# KiCad board pcb.kicad_pcb (continued)
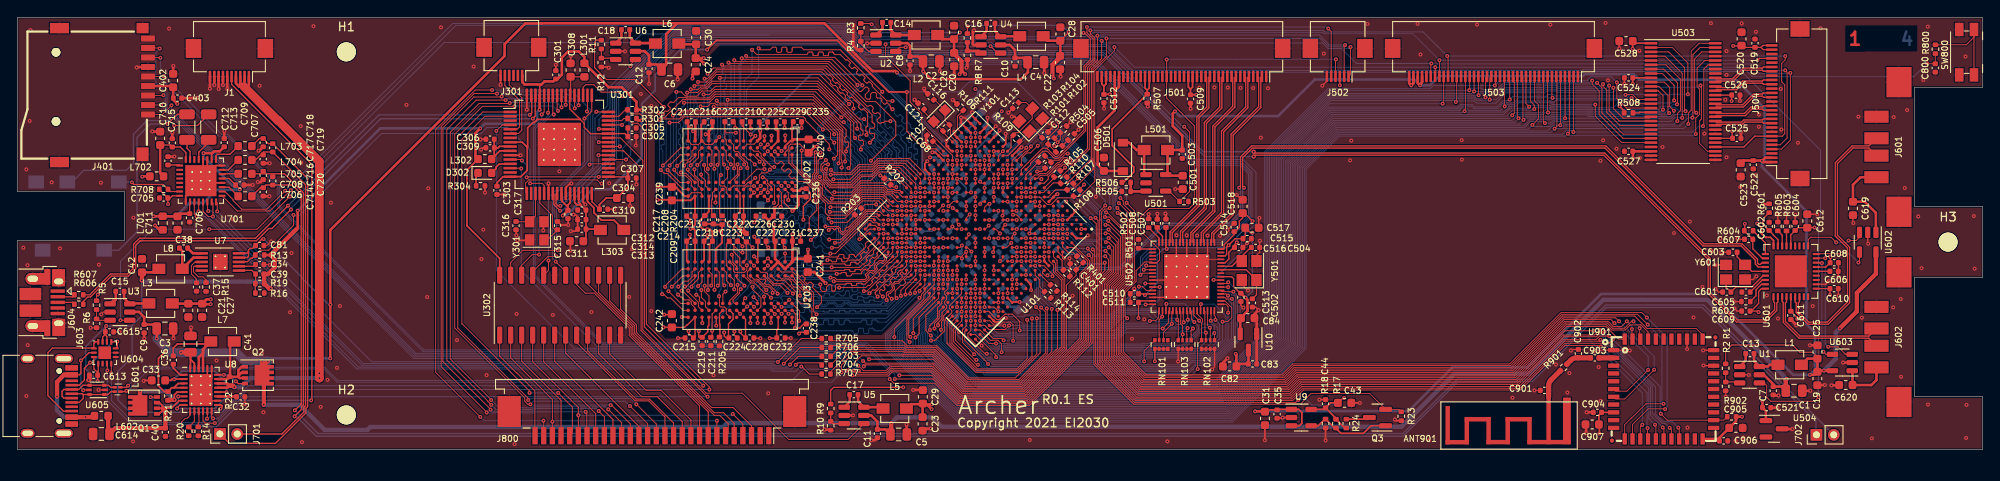
[diagram p0: board, top side]
## Routing (per net, layer and track width the routed paths; a pad name or vN(x,y) marks a point on that pad's centre or on a via; arc(x,y) is an arc through that point) (continued)
EPDC_SDCE0: length 118
  Top w0.1: v1(170.66,42.11) 170.75,42.2 J503.20 ; U503.16 185.87,39.5 184.75,40.62 v1(184.75,42.47) ; v1(106.68,13.85) 106.74,13.91 106.74,14.79 107.01,15.06 107.01,15.48 U101.G25
  Bottom w0.1: v1(106.68,13.85) 106.68,12.55 111.26,7.97 138.31,7.97 144.03,13.69 144.03,34.43 151.35,41.74 163.2,41.74 163.56,42.11 v1(170.66,42.11) 171.22,42.68 181.32,42.68 181.77,43.12 184.1,43.12 v1(184.75,42.47)
EPDC_SDCLK: length 139.8
  Top w0.1: U101.J21 v2(108.54,18.61) ; v1(166.15,40.2) 166.25,40.3 J503.29 ; v1(194.41,42.11) 194.51,42.01 194.51,38.23 194.31,38.03 194.31,35.4 195.21,34.5 U503.31
  Bottom w0.1: v1(194.41,42.11) 194.21,41.91 184.95,41.91 184.36,41.32 177.77,41.32 177.62,41.48 176.63,41.48 176.42,41.27 171.98,41.27 170.77,40.07 168.53,40.07 168.27,40.33 166.27,40.33 v1(166.15,40.2) 165.96,40.38 151.68,40.38 145.23,33.93 145.23,13.2 138.8,6.77 110.45,6.77 104.91,12.31 104.91,13.5 104.79,13.62 104.79,14.04 105.34,14.59 105.56,14.59 107.29,16.32 107.29,16.46 108.72,17.88 108.72,18.43 v2(108.54,18.61)
EPDC_SDLE: length 127.6
  Top w0.1: J503.21 170.07,42.97 v1(170.07,40.46) ; v1(184.35,41.85) 184.35,39.45 185.45,38.35 188.54,38.35 U503.18 ; U101.J20 v2(109.07,19.14)
  Bottom w0.1: v1(184.35,41.85) 184.02,41.52 177.86,41.52 177.7,41.68 176.54,41.68 176.34,41.47 171.86,41.47 170.85,40.46 v1(170.07,40.46) 169.96,40.35 168.53,40.35 168.3,40.58 151.6,40.58 145.03,34.02 145.03,13.28 138.72,6.97 110.53,6.97 105.11,12.39 105.11,13.58 104.99,13.7 104.99,13.96 105.42,14.39 105.65,14.39 107.49,16.24 107.49,16.38 109.01,17.9 109.01,19.08 v2(109.07,19.14)
EPDC_SDOE: length 126.2
  Top w0.1: v1(169.58,40.73) 169.58,42.98 J503.22 ; U101.H21 109.07,18.04 107.67,16.64 107.67,16.33 107.92,16.07 107.92,15.8 107.21,15.08 107.21,14.98 107.08,14.85 107.08,13.71 105.99,12.62 v1(105.53,12.62) ; v1(183.85,42.11) 183.85,39.18 185.04,38 U503.19
  Bottom w0.1: v1(105.53,12.62) 105.53,12.54 110.9,7.17 138.64,7.17 144.83,13.36 144.83,34.1 151.52,40.78 168.38,40.78 168.61,40.55 169.4,40.55 v1(169.58,40.73) 169.88,41.03 171.13,41.03 171.77,41.67 176.26,41.67 176.46,41.88 177.78,41.88 177.91,41.75 183.49,41.75 v1(183.85,42.11)
I2C1_SCL: length 168.9
  Top w0.1: v1(125.8,47.55) 125.8,45.49 124.25,43.94 124.25,32.39 ; 124.25,32.39 122.09,30.23 121.43,30.23 R107.2 119.9,30.04 119.07,29.21 U101.J2 ; 124.25,32.39 124.25,33.71 ; v1(153.99,46.56) 153.99,43.39 J502.1
  Top w0.11: v1(31.58,30) 29.17,27.59 25.41,27.59 U701.17
  Bottom w0.1: v1(125.8,47.55) 150.51,47.55 151.47,46.59 153.03,46.59 153.22,46.4 153.82,46.4 v1(153.99,46.56)
  Bottom w0.11: v1(31.58,30) 50.65,49.07 95.75,49.07 97.35,47.47 124.9,47.47 125.15,47.72 125.63,47.72 v1(125.8,47.55)
I2C1_SDA: length 165
  Top w0.1: J502.2 153.25,46.69 v1(153.36,46.8) ; v1(124.76,47.88) 124.76,45.03 123.81,44.09 123.81,34.75 121.86,32.79 121.83,32.79 120.57,31.54 119.88,31.54 U101.K1
  Top w0.11: U701.18 23.97,29.85 24.92,28.9 24.92,28.8 25.92,27.8 28.8,27.8 v1(30.93,29.93)
  Bottom w0.11: v1(153.36,46.8) 151.55,46.8 150.4,47.95 124.83,47.95 v1(124.76,47.88) 124.63,47.75 97.36,47.75 95.84,49.28 50.28,49.28 v1(30.93,29.93)
I2C2_SCL: length 113.7
  Top w0.1: v1(163.31,44.66) 163.25,44.6 J503.35 ; J504.5 203.62,35.25 204.41,36.04 204.41,43.65 v1(204.19,43.86) ; 120.54,30.84 119.64,30.84 118.54,29.74 U101.K2
  Top w0.11: R110.2 121.25,30.79 124.05,33.59 124.05,44.03 125.24,45.22 v1(125.24,47.27)
  Bottom w0.1: v1(204.19,43.86) 201.62,43.86 200.88,44.61 163.37,44.61 v1(163.31,44.66)
  Bottom w0.11: v1(163.31,44.66) 154.67,44.66 152.94,46.39 151.39,46.39 150.75,47.03 125.49,47.03 v1(125.24,47.27)
I2C2_SDA: length 115.7
  Top w0.1: U101.K3 118.09,29.21 118.96,28.34 119.4,28.34 120.17,29.11 121.81,29.11 R108.2 122.75,29.3 124.45,31 124.45,43.86 126.71,46.12 v1(126.71,46.54) ; v1(204.79,43.57) 204.79,35.78 203.76,34.75 J504.4 ; v1(163.76,44.22) 163.76,43.16 J503.34
  Bottom w0.1: v1(204.79,43.57) 204.7,43.47 201.21,43.47 200.46,44.22 v1(163.76,44.22) 129.03,44.22 v1(126.71,46.54)
KSI0: length 73.9
  Top w0.1: v1(60.77,3.34) 60.8,3.31 J800.27 ; v1(53.48,3.77) 48.32,8.93 48.32,37.03 52.88,41.59 v1(54.83,41.59) ; v1(66.09,32.96) 66.18,33.05 U301.36
  Bottom w0.1: v1(53.48,3.77) 53.91,3.34 v1(60.77,3.34) ; v1(66.09,32.96) 66.2,33.07 66.2,39.31 63.91,41.59 v1(54.83,41.59)
KSI1: length 48.3
  Top w0.1: v1(59.17,6.55) 59.17,6.76 51.41,14.53 51.35,14.53 51.35,35.89 54,38.55 U301.2 ; v1(62.47,6.55) 64.1,4.92 64.1,1.91 J800.24
  Bottom w0.1: v1(62.47,6.55) v1(59.17,6.55)
KSI2: length 68.9
  Top w0.1: v1(64.83,39.83) 64.83,40.95 U301.52 ; v1(65.65,4.36) 65.77,4.23 65.77,1.63 J800.22 ; v1(55.4,41.18) 52.75,41.18 48.95,37.37 48.95,9.58 54.21,4.33 v1(54.21,4.28)
  Bottom w0.1: v1(55.4,41.18) 55.59,41.37 63.28,41.37 v1(64.83,39.83) ; v1(65.65,4.36) 59.77,4.36 59.65,4.23 54.26,4.23 v1(54.21,4.28)
KSI3: length 69.8
  Top w0.1: v1(54.66,4.61) 54.66,4.67 49.16,10.17 49.16,37.21 52.73,40.78 55.89,40.78 v1(55.94,40.83) ; v1(64.39,39.47) 64.35,39.51 U301.53 ; v1(67.15,4.46) 67.81,3.79 67.81,1.61 J800.20
  Bottom w0.1: v1(54.66,4.61) 54.84,4.43 59.57,4.43 59.87,4.74 66.86,4.74 v1(67.15,4.46) ; v1(55.94,40.83) 56.16,41.05 62.81,41.05 v1(64.39,39.47)
KSI4: length 68.3
  Top w0.1: v1(68.26,4.65) 69.8,3.1 69.8,1.6 J800.18 ; v1(54.75,5.17) 54.75,5.21 54.63,5.33 54.59,5.33 54.33,5.59 54.33,5.63 49.61,10.35 49.61,37.03 53,40.42 v1(56.4,40.42) ; v1(63.33,39.88) 63.35,39.89 U301.55
  Bottom w0.1: v1(68.26,4.65) 67.96,4.94 59.79,4.94 59.49,4.63 55.28,4.63 v1(54.75,5.17) ; v1(63.33,39.88) 62.59,40.62 56.6,40.62 v1(56.4,40.42)
KSI5: length 67.7
  Top w0.1: v1(68.52,5.14) 68.62,5.14 70.8,2.97 J800.17 ; U301.56 62.85,39.59 v1(62.85,39.59) ; v1(56.88,40.08) 56.82,40.02 53.33,40.02 50.01,36.7 50.01,10.5 54.73,5.77 v1(54.73,5.73)
  Bottom w0.1: v1(68.52,5.14) 59.71,5.14 59.4,4.83 55.62,4.83 v1(54.73,5.73) ; v1(56.88,40.08) 56.94,40.14 62.3,40.14 v1(62.85,39.59)
KSI6: length 66.6
  Top w0.1: U301.57 62.35,39.28 v1(62.45,39.18) ; v1(57.44,39.7) 53.73,39.7 50.52,36.5 50.52,14.06 58.61,5.97 58.61,5.59 58.96,5.23 v1(59.26,5.23) ; J800.15 72.8,1.6 72.8,2.99 v1(70.77,5.02) 70.72,5.07
  Bottom w0.1: v1(62.45,39.18) 61.89,39.73 57.47,39.73 v1(57.44,39.7) ; v1(59.26,5.23) 59.63,5.59 70.19,5.59 v1(70.77,5.02)
KSI7: length 58.5
  Top w0.1: v1(59.01,5.73) 59.01,5.92 50.87,14.05 50.87,36.16 53.77,39.05 U301.1 ; J800.14 73.8,2.95 71.52,5.23 v1(71.49,5.23)
  Bottom w0.1: v1(71.49,5.23) 70.81,5.91 59.19,5.91 v1(59.01,5.73)
KSO0: length 13.4
  Top w0.11: U302.1 55.71,10.81 57.66,8.87 57.7,8.87 59.78,6.79 59.78,1.62 J800.28
KSO1: length 34.4
  Top w0.11: J800.26 v1(61.8,3.23) 61.8,5.79 56.98,10.6 U302.2 ; v1(80.8,3.33) 80.8,1.6 J800.7
  Bottom w0.11: v1(61.8,3.23) 61.91,3.33 v1(80.8,3.33)
KSO2: length 13.5
  Top w0.11: U302.3 58.26,10.23 62.8,5.68 J800.25
KSO3: length 34.8
  Top w0.11: 82.58,4.17 v1(82.63,4.12) 83.8,2.95 J800.4 ; U302.4 59.52,10.15 64.8,4.88 v1(64.8,3.98) J800.23
  Bottom w0.11: v1(82.63,4.12) 82.47,3.96 64.82,3.96 v1(64.8,3.98)
KSO4: length 14.1
  Top w0.11: U302.5 60.79,10.16 66.8,4.15 J800.21
KSO5: length 14.4
  Top w0.11: U302.6 62.07,10.2 68.8,3.47 J800.19
KSO6: length 15.1
  Top w0.11: J800.16 71.8,2.69 63.34,11.15 U302.7
KSO7: length 16.8
  Top w0.11: J800.13 74.8,3.77 72.94,5.63 71.35,5.63 64.6,12.38 U302.8
KSO8: length 16.7
  Top w0.11: J800.12 75.8,3.06 73.02,5.84 71.46,5.84 65.88,11.43 U302.9
KSO9: length 16.7
  Top w0.11: J800.11 76.8,3.23 73.91,6.12 72.12,6.12 67.15,11.09 U302.10
KSO10: length 16.5
  Top w0.11: U302.11 68.41,11.06 72.62,6.86 74.36,6.86 77.8,3.42 J800.10
KSO11: length 25
  Top w0.11: J800.9 78.8,5.06 70.68,13.19 70.68,14.05 66.64,18.09 65.6,18.09 64.6,19.09 U302.17
KSO12: length 24.3
  Top w0.11: U302.16 65.88,19.15 70.89,14.14 70.89,13.27 79.8,4.36 J800.8
KSO13: length 25.3
  Top w0.11: J800.6 82.1,1.91 82.1,2.97 81.13,3.95 80.51,3.95 71.1,13.36 71.1,14.22 67.15,18.18 U302.15
KSO14: length 25.2
  Top w0.11: J800.5 82.8,3.03 81.57,4.26 80.49,4.26 71.31,13.45 71.31,14.31 68.41,17.2 U302.14
KSO15: length 26.3
  Top w0.11: U302.13 69.69,16.23 71.52,14.4 71.52,13.54 80.18,4.87 82.67,4.87 84.8,2.74 J800.3
LCD1_CLK: length 22.9
  Top w0.1: U502.30 130.41,18.4 129.96,18.85 v1(129.55,18.85) ; U101.E20 v2(111.19,17.01)
  Bottom w0.1: v1(129.55,18.85) 129.55,18.62 129.14,18.22 128.9,18.22 126.24,15.56 116.44,15.56 116.3,15.41 114.55,15.41 113.61,16.35 112.39,16.35 111.72,17.01 v2(111.19,17.01)
LCD1_DE: length 35.3
  Top w0.1: U101.F25 107.38,14.79 107.38,12.28 110.73,8.93 115.61,8.93 117.75,11.07 v1(117.75,15.18) ; v1(130.28,19.21) 130.3,19.2 U502.28
  Bottom w0.1: v1(130.28,19.21) 130.28,19.04 129.25,18.02 128.98,18.02 126.14,15.18 v1(117.75,15.18)
LCD1_HSYNC: length 36.8
  Top w0.1: v1(116.64,15) 116.64,10.52 115.44,9.32 110.9,9.32 107.95,12.28 107.95,14.3 U101.E25 ; U502.29 131.93,18.8 v1(131.94,18.79)
  Bottom w0.1: 123.67,14.6 126.12,14.6 127.8,16.27 130.82,16.27 131.94,17.39 v1(131.94,18.79) ; 123.67,14.6 123.45,14.6 ; 123.67,14.6 117.04,14.6 v1(116.64,15)
LCD1_RESET: length 80.8
  Top w0.1: U502.22 131.03,21.7 130.23,21.7 129.22,20.69 129.22,19.43 127.95,18.16 127.95,15.42 v1(128.19,15.19)
  Top w0.11: J502.4 152.25,45.08 v1(152.3,45.14) ; v1(132.75,45.12) 132.75,40.65 135.94,37.45 135.94,28.46 135.36,27.88 130.72,27.88 129.75,26.91 129.75,25.31 131.92,23.13 131.92,21.91 131.61,21.6 U502.22 ; U101.C21 112.21,15.95 113.12,15.04 113.45,15.04 114.07,15.66 114.92,15.66 115.78,14.8 v2(115.78,13.77)
  Bottom w0.11: v1(128.19,15.19) 126.78,13.77 v2(115.78,13.77) ; v1(152.3,45.14) 152.3,45.14 132.78,45.14 v1(132.75,45.12)
LCD1_VSYNC: length 34.8
  Top w0.1: U101.F24 108.54,15.42 107.71,14.59 107.71,12.23 110.82,9.12 115.53,9.12 117.19,10.79 v1(117.19,15.18) ; v1(130.32,16.77) 130.34,16.8 U502.34
  Bottom w0.1: v1(117.19,15.18) 117.58,14.8 126.04,14.8 128.02,16.77 v1(130.32,16.77)
LCD_D0: length 24.3
  Top w0.1: U101.D21 v2(111.19,15.95) ; v1(130.81,14.87) 130.84,14.91 131.48,14.91 131.82,15.25 131.82,16.02 U502.35
  Bottom w0.1: v1(130.81,14.87) 130.54,14.61 127.9,14.61 126.67,13.38 115.59,13.38 115.4,13.58 114.62,13.58 114.47,13.42 113.19,13.42 111.19,15.42 v2(111.19,15.95)
LCD_D7: length 29.5
  Top w0.1: U502.42 134.67,14.77 v1(134.72,14.72) ; U101.F20 v2(110.66,17.55)
  Bottom w0.1: v1(134.72,14.72) 134.45,14.45 133.98,14.45 133.45,14.98 133.23,14.98 133.05,14.8 131.46,14.8 130.59,15.67 128.04,15.67 126.35,13.98 116.13,13.98 115.96,14.15 115.6,14.15 115.43,13.97 114.45,13.97 114.3,13.82 113.85,13.82 110.66,17.02 v2(110.66,17.55)
LCD_D8: length 30.3
  Top w0.1: U101.E21 v2(110.66,16.48) ; v1(135.19,15.01) 135.19,15.94 U502.43
  Bottom w0.1: v1(135.19,15.01) 135.19,14.61 134.74,14.16 133.19,14.16 132.95,14.4 132.15,14.4 131.95,14.2 128.06,14.2 126.84,12.98 115.43,12.98 115.23,13.18 114.78,13.18 114.63,13.02 112.53,13.02 110.27,15.29 110.27,15.56 110.66,15.95 v2(110.66,16.48)
LCD_D9: length 31
  Top w0.1: U502.44 135.6,15.93 135.6,15.1 v1(135.95,14.75) ; U101.C23 v2(110.66,14.36)
  Bottom w0.1: v2(110.66,14.36) 110.66,14.1 112.93,11.83 113.16,11.83 113.38,12.06 113.99,12.06 114.05,12 129.98,12 129.99,12.01 134.51,12.01 136.43,13.93 136.43,14.26 v1(135.95,14.75)
LCD_D15: length 35.5
  Top w0.1: v1(111.98,11.08) 111.77,11.08 109.79,13.06 109.79,13.42 110.13,13.76 U101.C24 ; U502.50 137.87,14.93 v1(137.84,14.9)
  Bottom w0.1: v1(111.98,11.08) 113.2,11.08 113.51,10.78 129.63,10.78 130.05,11.19 130.3,11.19 130.31,11.2 134.84,11.2 135.13,11.5 137.06,11.5 138.63,13.07 138.63,14.1 v1(137.84,14.9)
LCD_D16: length 34.5
  Top w0.1: v1(138.39,15) 138.39,15.36 138.23,15.52 138.23,16.02 U502.51 ; U101.B25 110.65,13.3 113.05,10.91 v1(113.05,10.69)
  Bottom w0.1: v1(113.05,10.69) 113.17,10.58 129.71,10.58 130.13,10.99 130.39,10.99 130.4,11 134.92,11 135.22,11.3 137.37,11.3 138.87,12.8 138.87,14.52 v1(138.39,15)
LCD_D17: length 45.2
  Top w0.1: v1(139.84,15.82) 139.84,16.54 139.59,16.8 U502.52 ; U101.G21 v2(109.6,17.55)
  Bottom w0.1: v1(139.84,15.82) 139.84,12.72 137.83,10.7 135.46,10.7 134.57,9.81 112.74,9.81 112.26,10.29 111.67,10.29 110.91,11.05 110.91,11.16 110.65,11.42 110.39,11.42 107.2,14.61 107.2,14.75 108.51,16.06 108.64,16.06 109.6,17.02 v2(109.6,17.55)
LCD_D18: length 40.9
  Top w0.1: U101.E23 v2(109.6,15.42) ; v1(139.21,14.79) 139.81,14.79 140.28,15.27 140.28,16.38 139.47,17.2 U502.53
  Bottom w0.1: v1(139.21,14.79) 139.21,12.71 137.6,11.1 135.3,11.1 135,10.8 130.48,10.8 130.47,10.79 130.21,10.79 129.73,10.31 112.81,10.31 112.43,10.69 111.83,10.69 111.31,11.21 111.31,11.33 109.49,13.15 109.49,15.31 v2(109.6,15.42)
LCD_D19: length 42.8
  Top w0.1: v1(140.29,17.43) 140.27,17.41 139.65,17.41 139.46,17.6 U502.54 ; U101.D24 109.6,14.29 109.16,13.85 109.16,12.37 v1(110.52,11.02)
  Bottom w0.1: v1(140.29,17.43) 140.47,17.25 140.47,12.78 137.99,10.3 135.63,10.3 134.74,9.41 112.07,9.41 111.65,9.83 111.65,10.02 110.66,11.02 v1(110.52,11.02)
LCD_D20: length 40.7
  Top w0.1: U101.C25 109.42,13.66 109.42,12.65 112.12,9.95 v1(112.12,9.9) ; v1(139.83,17.79) 139.62,18 U502.55
  Bottom w0.1: v1(112.12,9.9) 112.41,9.61 134.66,9.61 135.55,10.5 137.91,10.5 140.23,12.83 140.23,16.95 139.83,17.36 v1(139.83,17.79)
LCD_D21: length 46.4
  Top w0.1: U101.E24 109.07,14.86 108.15,13.94 108.15,12.45 110.8,9.8 v1(110.96,9.8) ; v1(140.46,18.26) 139.14,18.26 U502.56
  Bottom w0.1: v1(140.46,18.26) 140.94,17.78 140.94,12.69 138.16,9.9 136.11,9.9 135.22,9.01 111.91,9.01 111.12,9.8 v1(110.96,9.8)
LCD_D22: length 44.8
  Top w0.1: U101.D25 108.97,14.36 108.35,13.74 108.35,12.65 110.63,10.37 v1(110.77,10.37) ; U502.57 139.84,18.8 v1(139.85,18.79)
  Bottom w0.1: v1(139.85,18.79) 139.85,18.31 140.28,17.88 140.56,17.88 140.67,17.77 140.67,12.7 138.07,10.1 135.71,10.1 134.82,9.21 111.99,9.21 111.34,9.86 111.34,10.02 110.99,10.37 v1(110.77,10.37)
LCD_D23: length 50.5
  Top w0.1: U101.G23 v2(108.54,16.48) ; v1(139.86,19.35) 139.71,19.2 U502.58
  Bottom w0.1: v1(139.86,19.35) 139.91,19.35 141.23,18.02 141.23,12.7 138.24,9.7 136.19,9.7 135.3,8.81 111.82,8.81 111.41,9.23 110.64,9.23 107.26,12.61 107.26,14.09 106.99,14.36 106.99,14.94 v2(108.54,16.48)
LCD_EN: length 91.5
  Top w0.11: v1(134.78,37.34) 135.4,36.73 135.4,29.86 R503.1 133.04,29.9 U501.4 ; U301.44 68.24,37.08 v1(67.17,37.08)
  Bottom w0.11: v1(134.78,37.34) 134.6,37.34 125.8,46.14 98.09,46.14 95.58,48.65 75.67,48.65 68.45,41.43 68.45,39.46 67.17,38.19 v1(67.17,37.08)
LCD_PWM: length 2.5
  Top w0.11: U101.N2 116.49,31.81 R504.2
LCD_TP_INT: length 55.8
  Top w0.11: v1(151.41,48.7) 151.75,48.36 J502.5 ; U101.P1 117.05,32.95 117.05,33.13 118.43,34.51 118.95,34.51 119.78,33.68 120.2,33.68 123.4,36.87 123.4,44.26 124.24,45.11 124.24,47.52 123.54,48.22 v1(123.54,48.87)
  Bottom w0.11: v1(151.41,48.7) 151.24,48.87 v1(123.54,48.87)
MPU_RST: length 123.3
  Top w0.1: U101.R6 v2(113.31,30.8) ; v1(58.2,32.51) 58.16,32.55 U301.14 ; v1(125.65,28.23) 125.01,27.59 125.01,22.63 125.02,22.62 125.02,20.68 124.14,19.8 124.14,12.32 116.91,5.09 108.55,5.09 105.98,7.67 101.24,7.67 v1(100.75,8.15)
  Bottom w0.1: v1(100.75,8.15) 100.75,8.99 97.82,11.93 66.96,11.93 58.2,20.68 v1(58.2,32.51) ; v1(125.65,28.23) 125.65,28.78 122.81,31.63 122.81,32.73 121.78,33.77 121.43,33.77 121.41,33.74 121.26,33.74 121.24,33.76 118.16,33.76 114.78,30.39 114.26,30.39 113.84,30.8 v2(113.31,30.8)
ONOFF: length 141.5
  Top w0.1: v1(100.29,46.88) 100.29,45.49 103.12,42.66 103.12,40.2 104.47,38.86 104.47,37.59 108.01,34.05 U101.AC8 ; R800.2 221.52,45.78 C800.2 220.63,44.62 v1(220.58,44.67)
  Bottom w0.1: v1(100.29,46.88) 100.47,47.05 112.55,47.05 112.79,46.82 125.85,46.82 128.83,43.84 180.74,43.84 180.84,43.94 199.59,43.94 200.4,43.13 219.04,43.13 v1(220.58,44.67)
PMIC_ON_REQ: length 56.3
  Top w0.1: U101.AB8 v2(108.54,33.45) ; v1(70.31,33.54) 70.3,33.55 U301.37
  Bottom w0.1: v2(108.54,33.45) 106.71,35.28 106.71,35.77 98.36,44.12 97.65,44.12 94.97,46.8 76.43,46.8 70.86,41.22 70.86,34.09 v1(70.31,33.54)
PMIC_STBY_REQ: length 68.3
  Top w0.1: U301.17 58.7,29.78 58.7,30.82 59.06,31.18 66.97,31.18 67.39,30.76 v1(67.48,30.76) ; U101.AC7 v2(108.54,34.52)
  Bottom w0.1: v2(108.54,34.52) 107.97,34.52 106.91,35.57 106.91,35.86 98.45,44.32 97.73,44.32 95.05,47 76.34,47 70.66,41.31 70.66,35.59 69.91,34.85 69.91,33.19 v1(67.48,30.76)
PWR_EN: length 280.1
  Top w0.11: v1(22.17,25.48) 27.68,25.48 31.46,29.26 v1(31.49,29.26) ; U1.4 201.24,7.73 201.73,7.73 202.05,7.41 202.05,6.05 202.51,5.59 207.58,5.59 v1(208.06,6.07) ; v1(11.91,14.95) 12.98,14.95 U3.4 ; U4.4 113.22,45.86 v1(112.41,46.66) ; U301.41 67.16,35.55 v1(67.16,35.56) ; U6.4 70.81,44.53 v1(70.81,44.34) ; v1(102.61,46.53) 101.93,46.53 U2.4
  Bottom w0.11: v1(22.17,25.48) 15.62,25.48 11.91,21.77 v1(11.91,14.95) ; v1(208.06,6.07) 208.04,6.09 208.04,26.8 208.27,27.03 208.27,34.62 199.15,43.74 180.93,43.74 180.83,43.64 128.74,43.64 125.76,46.61 112.46,46.61 v1(112.41,46.66) 102.74,46.66 v1(102.61,46.53) 102.57,46.49 98.04,46.49 95.66,48.86 75.54,48.86 74.74,48.07 ; 74.74,48.07 72.09,48.07 71.1,47.08 49.31,47.08 v1(31.49,29.26) ; 74.74,48.07 70.98,44.3 70.85,44.3 v1(70.81,44.34) 68.19,41.72 68.19,39.78 66.74,38.33 66.74,35.98 v1(67.16,35.56)
SAI1_MCLK: length 44
  Top w0.1: 96.55,11.36 96.74,11.36 ; 96.55,11.36 102.3,11.36 102.47,11.2 105.85,11.2 109.56,7.49 115.92,7.49 120.14,11.71 v1(120.14,16.14) ; 96.55,11.36 96.3,11.36 93.92,8.99 R707.1 ; U101.E10 v2(117.02,22.85)
  Bottom w0.1: v2(117.02,22.85) 117.07,22.8 117.07,22.25 117.15,22.18 117.16,22.18 117.42,21.93 117.42,21.91 117.68,21.65 117.69,21.65 118.42,20.92 118.42,17.86 v1(120.14,16.14)
SAI1_RXD: length 39.3
  Top w0.1: U101.E12 v2(115.96,21.79) ; v1(117.65,16.49) 118.14,16.01 118.14,11.17 115.25,8.29 109.9,8.29 106.19,12 102.8,12 102.22,12.58 94.19,12.58 R705.1
  Bottom w0.1: v2(115.96,21.79) 115.96,21.72 116.74,20.94 116.74,20.51 117.53,19.72 117.53,16.61 v1(117.65,16.49)
SAI1_TXC: length 40.7
  Top w0.1: R704.1 95.74,11.59 102.37,11.59 102.55,11.4 105.93,11.4 109.64,7.69 115.84,7.69 119.48,11.33 v1(119.48,16.27) ; U101.C11 v2(117.55,21.26)
  Bottom w0.1: v1(119.48,16.27) 118.21,17.55 118.21,20.61 v2(117.55,21.26)
SAI1_TXD: length 40.5
  Top w0.1: U101.E11 v2(116.49,22.32) ; R706.1 94.19,12.06 102.46,12.06 102.72,11.8 106.1,11.8 109.81,8.09 115.67,8.09 118.75,11.17 118.75,15.93 v1(118.25,16.43)
  Bottom w0.1: v2(116.49,22.32) 116.49,21.47 116.94,21.03 116.94,20.59 117.73,19.8 117.73,16.95 v1(118.25,16.43)
SAI1_TXFS: length 40.4
  Top w0.1: R703.1 94.95,11.79 102.45,11.79 102.64,11.6 106.01,11.6 109.73,7.89 115.75,7.89 118.95,11.08 118.95,16.26 v1(118.89,16.32) ; U101.D11 v2(117.02,21.79)
  Bottom w0.1: v1(118.89,16.32) 117.93,17.28 117.93,20.27 117.16,21.03 117.16,21.65 v2(117.02,21.79)
SB_PG: length 48.4
  Top w0.11: v1(59.22,30.79) 60.61,30.79 60.85,30.56 U301.21 ; v1(31.89,27.13) 31.89,25.93 29.02,23.06 28.05,23.06 R13.1
  Top w0.15: R13.1 27.12,22.13 26.98,22.13 26.58,21.73 25.63,21.73 U7.8
  Bottom w0.11: v1(31.89,27.13) 31.99,27.03 32.54,27.03 42.06,36.55 53.52,36.55 54.21,37.24 56.61,37.24 59.22,34.63 v1(59.22,30.79)
SD1_CLK: length 2.6
  Top w0.1: R401.2 121.94,22.81 121.35,22.81 120.74,23.43 U101.B5
SD1_CMD: length 142
  Top w0.1: v1(16.88,40.99) 16.85,40.95 J401.3 ; U101.C5 v2(120.74,24.44) ; v1(123.64,23.25) 123.64,23.19 124.18,22.64 124.18,22.33 124.22,22.29 124.22,21.01 123.34,20.13 123.34,12.65 116.58,5.89 108.9,5.89 105.61,9.18 100.96,9.18 100.5,8.72 96.98,8.72 96.63,9.08 v1(96.63,9.14)
  Bottom w0.1: v1(16.88,40.99) 17.08,40.79 17.08,39.54 45.89,10.73 95.17,10.73 96.63,9.27 v1(96.63,9.14) ; v2(120.74,24.44) 121.92,23.25 v1(123.64,23.25)
SD1_DATA0: length 141.6
  Top w0.1: J401.7 16.48,45.35 v1(16.52,45.31) ; v1(97.77,9.62) 97.94,9.79 105.85,9.79 109.15,6.49 116.33,6.49 122.72,12.88 122.72,20.36 123.63,21.26 123.63,21.79 122.04,23.38 U101.A5
  Bottom w0.1: v1(97.77,9.62) 96.06,11.33 46.86,11.33 30.1,28.08 30.1,30.4 24.25,36.25 23.23,36.25 16.52,42.96 ; 16.52,42.96 v1(16.52,45.31) ; 16.52,42.96 16.52,43.02
SD1_DATA1: length 147.4
  Top w0.1: v1(123.74,22.49) 124.03,22.21 124.03,21.1 123.13,20.21 123.13,12.73 116.5,6.09 108.98,6.09 105.68,9.39 100.89,9.39 100.42,8.92 97.37,8.92 v1(97.19,9.11) ; v1(16.45,46.39) 16.39,46.45 J401.8 ; U101.D6 v2(119.68,24.44)
  Bottom w0.1: v1(123.74,22.49) 122.64,22.49 122.29,22.84 121.5,22.84 119.9,24.44 v2(119.68,24.44) ; v1(97.19,9.11) 97.19,9.12 95.38,10.93 45.97,10.93 17.28,39.62 17.28,41.13 16,42.41 16,45.94 v1(16.45,46.39)
SD1_DATA2: length 137.8
  Top w0.1: v1(17.8,39.81) 16.74,38.75 J401.1 ; U101.A4 121.8,23.9 123.83,21.87 123.83,21.18 122.93,20.28 122.93,12.8 116.42,6.29 109.06,6.29 105.77,9.59 100.81,9.59 100.34,9.12 97.73,9.12 v1(97.14,9.7)
  Bottom w0.1: v1(97.14,9.7) 95.72,11.13 46.05,11.13 17.8,39.38 v1(17.8,39.81)
SD1_DATA3: length 142.6
  Top w0.1: v1(16.6,39.84) 16.59,39.85 J401.2 ; v1(124.21,23.15) 124.39,22.97 124.39,22.4 124.42,22.37 124.42,20.93 123.54,20.05 123.54,12.57 116.66,5.69 108.82,5.69 105.52,8.98 101.05,8.98 100.57,8.5 96.51,8.5 v1(96.44,8.58) ; U101.D5 v2(120.21,24.97)
  Bottom w0.1: v1(16.6,39.84) 16.6,39.73 45.81,10.53 95.08,10.53 96.25,9.36 96.25,8.77 v1(96.44,8.58) ; v1(124.21,23.15) 124.21,23.22 123.78,23.65 122.06,23.65 120.87,24.83 120.34,24.83 v2(120.21,24.97)
SD1_VSELECT: length 74.4
  Top w0.1: v1(126.17,27.93) 126.07,27.83 125.59,27.83 125.21,27.45 125.21,22.71 125.22,22.7 125.22,21.89 ; U101.R1 115.96,33.7 116.57,34.31 117.03,34.31 v1(117.86,35.14) ; R23.1 159.56,4.65 Q3.2 156.2,6.48 149.43,6.48 148.19,5.25 128.95,5.25 124.34,9.86 124.34,19.72 125.22,20.6 125.22,21.89
  Bottom w0.1: v1(117.86,35.14) 118.63,35.92 120.34,35.92 126.17,30.08 v1(126.17,27.93)
SD2_CLK: length 99.2
  Top w0.1: U901.17 190.18,1.25 190.18,2.42 v1(190.05,2.55) ; v1(182.76,13.84) 182.17,13.25 178.54,13.25 173.2,7.91 148.14,7.91 146.93,6.7 129.52,6.7 125.76,10.46 125.76,19.11 127.02,20.37 127.02,24.04 126.06,25 v1(125.69,25) ; U101.E3 v2(120.74,26.56)
  Bottom w0.1: v2(120.74,26.56) 123.25,26.56 124.8,25 v1(125.69,25) ; v1(190.05,2.55) 188.64,3.96 188.64,7.28 183.24,12.67 183.24,12.83 182.76,13.31 v1(182.76,13.84)
SD2_CMD: length 99.4
  Top w0.1: v1(182.85,12.69) 182.7,12.54 178.72,12.54 173.47,7.29 148.37,7.29 147.14,6.06 129.28,6.06 125.16,10.18 125.16,19.35 126.42,20.62 126.42,23.05 v1(126.07,23.4) ; v1(189.15,2.87) 189.25,2.77 U901.16 ; U101.F6 v2(118.62,25.5)
  Bottom w0.1: v1(126.07,23.4) 125.35,23.4 124.71,24.05 122.72,24.05 121.4,25.36 121.13,25.36 120.88,25.11 120.6,25.11 120.35,25.36 120.07,25.36 119.81,25.11 119.54,25.11 119.15,25.5 v2(118.62,25.5) ; v1(189.15,2.87) 188.44,3.58 188.44,7.1 v1(182.85,12.69)
SD2_DATA0: length 100.2
  Top w0.1: v1(183.32,13.64) 183.14,13.46 182.79,13.46 182.38,13.05 178.62,13.05 173.29,7.71 148.22,7.71 147.01,6.5 129.43,6.5 125.56,10.38 125.56,19.19 126.82,20.45 126.82,23.68 v1(126.05,24.46) ; U101.E4 v2(120.21,26.03) ; v1(190.85,2.52) 191.05,2.31 U901.18
  Bottom w0.1: v1(183.32,13.64) 183.44,13.52 183.44,12.75 188.84,7.36 188.84,4.19 190.01,3.02 190.35,3.02 v1(190.85,2.52) ; v1(126.05,24.46) 125.04,24.46 123.37,26.13 120.31,26.13 v2(120.21,26.03)
SD2_DATA1: length 101.2
  Top w0.1: v1(183.87,13.13) 182.74,13.13 182.36,12.74 178.6,12.74 173.37,7.51 148.31,7.51 147.1,6.3 129.35,6.3 125.36,10.29 125.36,19.27 126.62,20.54 126.62,23.42 126.05,23.99 v1(125.73,23.99) ; U901.19 191.95,2.43 v1(191.84,2.54) ; U101.E5 v2(119.68,25.5)
  Bottom w0.1: v1(125.73,23.99) 125.48,24.25 122.8,24.25 121.16,25.89 120.59,25.89 120.28,25.57 119.75,25.57 v2(119.68,25.5) ; v1(183.87,13.13) 183.87,12.6 189.2,7.28 189.2,4.11 190.09,3.22 191.16,3.22 v1(191.84,2.54)
SD2_DATA2: length 100.3
  Top w0.1: U101.F5 v2(119.15,26.03) ; U901.14 187.45,2.63 v1(187.69,2.87) ; v1(126.04,25.45) 127.22,24.26 127.22,20.29 125.96,19.02 125.96,10.56 129.6,6.91 146.86,6.91 148.06,8.11 173.12,8.11 178.75,13.74 v1(182.06,13.74)
  Bottom w0.1: 181.53,12.71 181.53,13.22 v1(182.06,13.74) ; 181.53,12.71 181.53,12.89 ; 181.53,12.71 187.69,6.56 v1(187.69,2.87) ; v1(126.04,25.45) 124.75,25.45 123.25,26.95 120.6,26.95 119.68,26.03 v2(119.15,26.03)
SD2_DATA3: length 96.7
  Top w0.1: v1(182.9,11.91) 182.79,12.03 178.77,12.03 173.64,6.89 148.54,6.89 147.31,5.66 129.12,5.66 124.76,10.02 124.76,19.52 126.02,20.78 126.02,21.99 v1(125.65,22.36) ; U101.E6 v2(119.15,24.97) ; v1(188.29,2.48) 188.29,1.28 U901.15
  Bottom w0.1: v1(125.65,22.36) 124.46,22.36 123.95,22.87 122.54,22.87 122.37,23.04 121.6,23.04 119.82,24.83 119.28,24.83 v2(119.15,24.97) ; v1(182.9,11.91) 188.24,6.58 188.24,2.54 v1(188.29,2.48)
SPI_LCD_CS: length 131.7
  Top w0.11: v1(58.28,33.43) 58.17,33.55 U301.12 ; v1(58.83,31.49) 58.88,31.54 v1(67.17,31.54) ; v1(138.16,19.62) 138.19,19.6 U502.59
  Bottom w0.11: v1(58.28,33.43) 58.83,32.89 v1(58.83,31.49) ; 76.16,47.94 75.96,47.94 69.2,41.18 69.2,33.56 67.18,31.54 v1(67.17,31.54) ; 76.16,47.94 95.28,47.94 97.97,45.25 124.45,45.25 136.15,33.55 141.57,33.55 143.06,32.06 143.06,26.15 141.4,24.49 141.4,22.86 v1(138.16,19.62) ; 76.16,47.94 86.87,47.94